# Altium PCB LimeNet-Micro_2v0.PcbDoc (part 9 of 11)
Units mm, origin at the board's own origin, x right, y up, seen from the top; angles counter-clockwise.
Board outline 75 x 143 mm, 6 copper layers (Top, L2, L3, L4, L5, Bottom), stack 1.583 mm thick; 781 components, 551 nets, 3551 pads, 1336 vias.
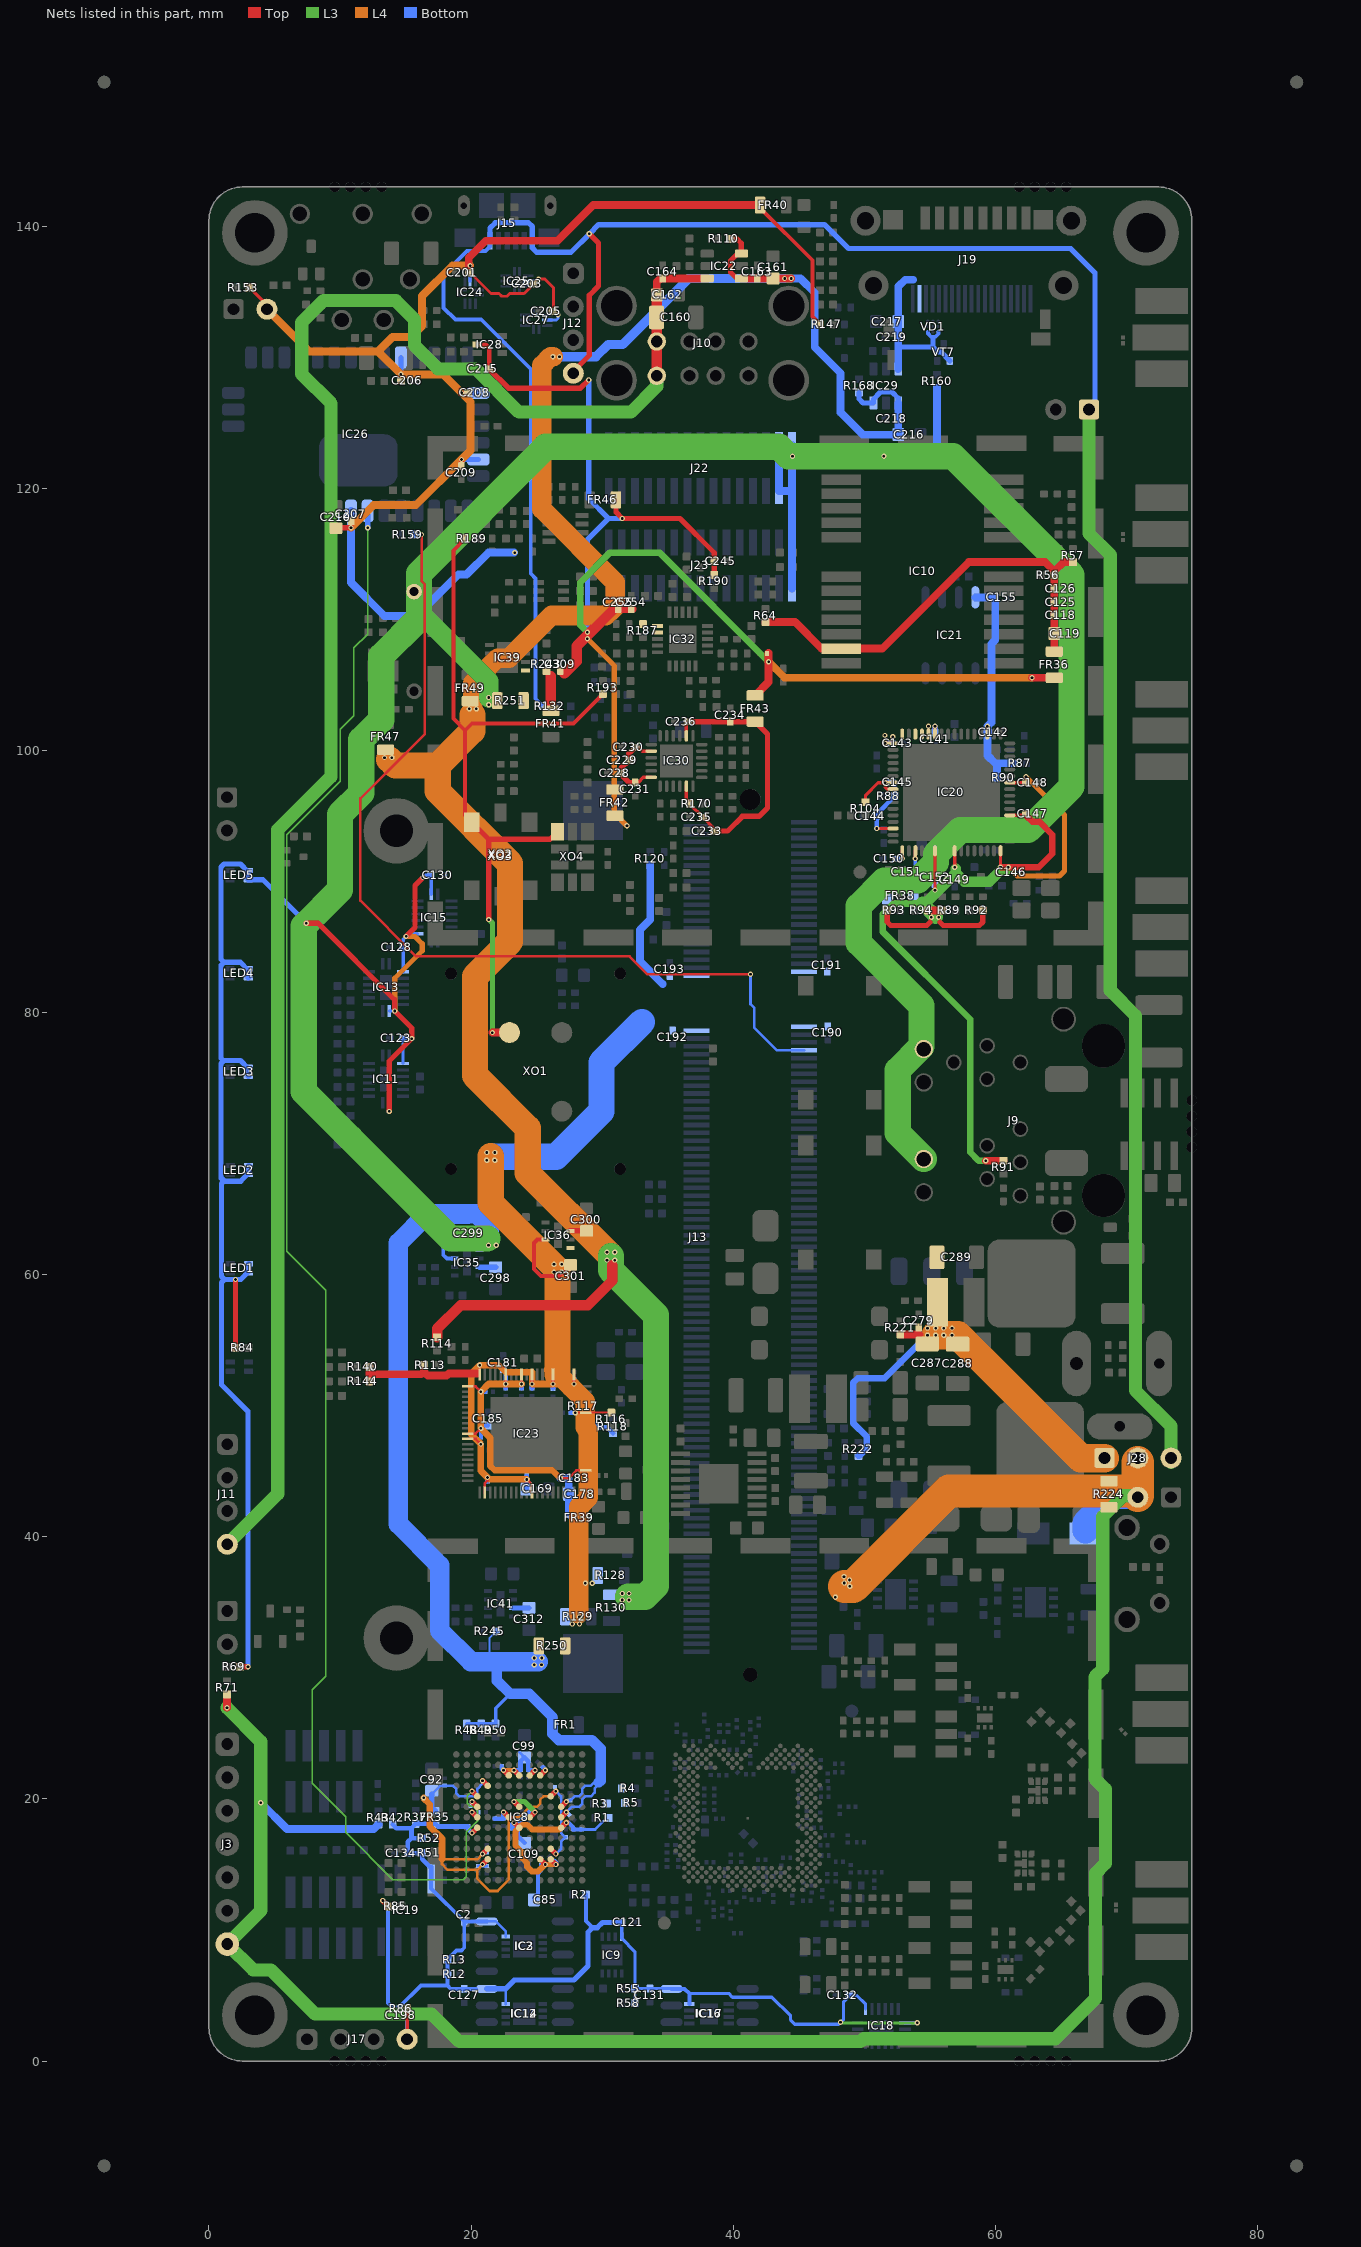
[diagram p13: the nets of this part, all layers, seen from the top]

## Via types
v1: diameter 0.4, hole 0.2, Top to Bottom, tented both sides, 1190 vias
v2: diameter 0.35, hole 0.2, Top to Bottom, tented both sides, 98 vias
v3: diameter 0.5, hole 0.2, Top to Bottom, tented bottom, 25 vias
v4: diameter 0.5, hole 0.2, Top to Bottom, tented both sides, 12 vias
v5: diameter 0.8, hole 0.4, Top to Bottom, tented both sides, 5 vias
v6: diameter 0.4, hole 0.2, Top to Bottom, tented top, 4 vias
v7: diameter 0.4, hole 0.2, Top to Bottom, tented bottom, 2 vias

## Nets (pads, with @x,y where several pads share a name; then routed paths per layer and width w, separated by ;. In a path a pad name is that pad's centre, name@x,y a point inside that pad or via, vN(x,y) a via of type N, cw(c..) or ccw(c..) an arc to the next point about the centre after c; other vN are vias at no path point) (continued)
VCC3P3: C2.1 C85.2 C86.1 C87.1 C88.1 C89.1 C90.1 C91.1 C99.2 C100.1 C101.1 C102.1 C103.1 C104.1 C109.2 C110.1 C111.1 C112.1 C113.1 C114.1 C115.1 C116.1 C117.1 C121.1 C123.2 C127.1 C128.2 C130.2 C131.1 C132.2 C134.1 C198.1 C299.2 FR1.2 FR35.1 IC2.8 IC3.8 IC8.C6 IC8.C7 IC8.C8 IC8.F7 IC8.F11 IC8.G6 IC8.G8 IC8.G11 IC8.H7 IC8.H11 IC8.J3 IC8.J11 IC8.K3 IC8.L6 IC8.L7 IC8.L8 IC9.8 IC11.10 IC11.16 IC12.8 IC13.10 IC13.16 IC14.8 IC15.10 IC15.16 IC16.8 IC17.8 IC18.10 IC18.16 IC19.8 IC35.3 IC35.5 J9.P6 J9.P12 J17.4 J22.14 J22.15 J23.15 LED1.1 LED1.2 LED2.1 LED2.2 LED3.1 LED3.2 LED4.1 LED4.2 LED5.1 LED5.2 LS1.1 R1.2 R2.2 R3.1 R4.1 R5.2 R12.1 R13.1 R37.1 R42.1 R48.1 R49.1 R50.1 R51.1 R52.1 R55.1 R58.1 R69.1 R84.1 R85.1 R86.1 R160.1 R245.1 R250.2 R251.2 | length 564.3
  Top w0.25: J17.4@15.118,1.652 15.125,1.659 R86.1@15.125,4
  Top w0.4: R84.1@2.025,54.412 v1@2.025,59.625 ; R69.1@2.375,30.075 v1(2.975,30.075) ; v1(7.425,86.825) 8.325,86.825 14.175,80.975 v1(14.175,80.125) 15.475,78.825 v1(15.475,78.016) 13.759,76.3 v1(13.759,72.459) ; v1(13.25,12.25) R85.1@13.7,11.8 ; v1(15.038,85.813) 15.725,86.5 15.725,89.7 v1(16.325,90.3) ; v1(20.072,17.394) IC8.C6@20.472,17.794 ; v1(20.072,18.994) IC8.C7@20.472,18.594 ; v1(20.072,19.794) IC8.C8@20.472,19.394 ; v1(22.472,18.994) IC8.F7@22.872,18.594 ; v1(22.472,22.194) IC8.F11@22.872,21.794 ; v1(23.272,18.194) IC8.G6@23.672,17.794 ; v1(23.272,19.794) IC8.G8@23.672,19.394 ; v1(23.272,22.194) IC8.G11@23.672,21.794 ; IC8.H7@24.472,18.594 v1(24.872,18.994) ; IC8.H11@24.472,21.794 v1(24.872,22.194) ; IC8.J3@25.272,15.394 v1(25.672,14.994) ; IC8.J11@25.272,21.794 v1(25.672,22.194) ; IC8.K3@26.072,15.394 v1(26.472,14.994) ; IC8.L6@26.872,17.794 v1(27.272,18.194) ; IC8.L7@26.872,18.594 v1(27.272,18.994) ; IC8.L8@26.872,19.394 v1(27.272,19.794)
  L3 w0.25: v1(48.19,2.95) 48.24,2.9 54.025,2.9 v1(54.05,2.925)
  L3 w0.4: v1(23.272,19.794) 24.072,19.794 v1(24.872,18.994)
  L3 w1.5: 16.3,110.325 21.35,105.275 v1(21.35,104.045)
  L3 w2: 21.23,62.755 18.445,62.755 10.788,70.413 7.225,73.975 7.225,86.6 10,89.375 10,95.125 11.625,96.75 11.625,100.825 13.15,102.35 13.15,107.2 16.025,110.075 16.025,113.5 25.7,123.175 43.5,123.175 44.225,122.45 v1(44.525,122.45) v1(51.5,122.45) 56.775,122.45 65.825,113.4 65.825,97.25 62.5,93.925 57.3,93.925 55.475,92.1 55.475,91.475 54.075,90.075 51.525,90.075 49.575,88.125 49.575,85.325 54.375,80.525 54.375,77.425 52.55,75.6 52.55,70.82 J9.P6@54.545,68.825
  L4 w0.35: v1(22.472,22.194) v1(23.272,22.194)
  L4 w0.4: v1(14.175,80.125) 14.175,82.625 16.275,84.725 16.275,85.249 15.711,85.813 v1(15.038,85.813) ; v1(25.672,14.994) v1(26.472,14.994)
  L4 w0.45: v1@25.658,15.008 25.119,14.469 24.631,14.469 24.278,14.822 24.278,15.097 23.925,15.45 23.925,15.9 23.375,16.45 23.375,17.525 23.875,18.025 24.298,18.025 24.655,17.669 26.747,17.669 v1(27.272,18.194)
  Bottom w0.15: 21.4,30.575 21.4,32.27 R245.1@21.905,32.775
  Bottom w0.2: IC3.8@21.2,10.655 21.895,10.655 22.65,9.9 IC2.8@22.65,9.5 ; 22.63,5.505 22.65,5.485 IC12.8@22.65,4.35 ; v1(27.272,18.994) 27.672,19.394 28.238,19.394 28.472,19.628 28.472,19.96 28.706,20.194 29.144,20.194 29.425,20.475 29.425,20.8 29.625,21 ; C88.1@27.547,19.889 27.601,19.889 27.906,20.194 28.238,20.194 28.472,20.428 28.472,20.76 28.706,20.994 29.119,20.994 29.525,21.4 ; C90.1@28.442,17.669 29.47,17.669 R1.2@30.271,18.47 ; 29.75,21.275 29.872,21.153
  Bottom w0.25: v1(13.759,72.459) IC11.16@13.759,73.125 ; IC13.16@13.758,80.125 v1(14.175,80.125) ; C123.2@14.8,78.025 C123.2@14.809,78.016 ; IC11.10@14.809,76.125 C123.2@14.809,78.016 ; IC13.10@14.825,83.125 C128.2@14.825,84.975 14.825,85.6 v1(15.038,85.813) 15.25,86.025 IC15.10@15.9,86.025 ; v1(15.475,78.016) C123.2@14.809,78.016 ; v1(16.325,90.3) 16.5,90.475 C130.2@16.95,90.475 IC15.16@16.95,89.025 ; R48.1@19.672,25.744 R49.1@20.772,25.744 R50.1@21.872,25.744 21.872,26.922 22.975,28.025 ; C99.2@23.7,23.541 C99.2@24.072,23.169 ; C121.1@31.5,10.575 IC9.8@31.5,9.475 31.5,9.35 32.5,8.35 R55.1@32.5,5.525 ; R58.1@32.5,4.425 R55.1@32.5,5.525 ; IC17.8@35.3,5.505 35.28,5.525 R55.1@32.5,5.525 ; 36.65,5.155 39.661,5.155 39.941,4.875 42.95,4.875 44.375,3.45 44.375,3.125 44.7,2.8 48.04,2.8 v1(48.19,2.95) 48.425,3.185 48.425,4.525 48.875,4.975 49.447,4.975 50.1,4.322 IC18.10@50.1,3.975 ; IC18.16@53.1,2.925 v1(54.05,2.925)
  Bottom w0.3: v1(13.25,12.25) 13.675,11.825 13.675,4.414 13.989,4.1 14.511,4.1 ; J17.4@15.118,1.652 C198.1@15.118,3.493 ; C198.1@15.125,3.5 C198.1@15.118,3.493 ; IC19.8@16.955,13.9 16.955,13.17 C2.1@19.475,10.65 C2.1@19.48,10.655 ; 17.875,64.3 17.875,61.5 18.15,61.225 IC35.3@18.75,61.225 ; 18.4,64.025 19.825,64.025 ; IC14.8@20.375,5.505 18.45,5.505 18.2,5.755 ; IC3.8@21.2,10.655 C2.1@19.48,10.655 ; C85.2@24.8,12.45 25.1,12.75 25.1,14.275 25.347,14.522 C91.1@25.347,14.964 25.642,14.964 v1(25.672,14.994) ; v1(27.272,18.194) 27.436,18.194 27.777,17.852 27.777,17.669 C87.1@27.802,17.669 C90.1@28.392,17.669 ; R2.2@28.772,12.694 28.772,10.678 29.275,10.175 ; IC17.8@35.3,5.505 36.3,5.505 36.65,5.155 IC16.8@36.65,4.35 ; 14.511,4.1 C198.1@15.118,3.493 ; 14.511,4.1 16.166,5.755 18.2,5.755 ; 18.2,5.755 R12.1@18.2,6.62 R13.1@18.2,7.74 18.885,8.425 19.265,8.425 19.48,8.64 C2.1@19.48,10.655
  Bottom w0.35: R42.1@14.025,18.05 14.303,17.772 15.45,17.772 ; R52.1@16.272,17.094 R52.1@16.272,16.994 15.45,16.994 ; IC19.8@16.855,14.82 16.272,15.403 R51.1@16.272,15.894 16.228,15.85 C134.1@15.175,15.85 15.175,16.719 15.45,16.994 ; IC19.8@16.955,13.9 IC19.8@16.955,14.82 ; v1(20.072,17.394) 19.792,17.674 C110.1@19.792,17.894 17.472,17.894 FR35.1@17.272,18.094 R37.1@15.772,18.094 15.45,17.772 ; C104.1@21.797,18.499 C102.1@22.472,18.499 v1(22.472,18.994) ; C111.1@22.352,22.494 22.352,22.314 v1(22.472,22.194) ; v1(23.272,19.794) 23.752,19.794 C103.1@23.797,19.839 ; v1(23.272,22.194) 23.277,22.199 C100.1@23.772,22.199 23.772,22.869 C99.2@24.072,23.169 24.372,22.869 C114.1@24.372,22.199 24.377,22.194 v1(24.872,22.194) ; C116.1@23.817,18.144 23.322,18.144 v1(23.272,18.194) ; C109.2@24.072,16.644 23.572,17.144 23.572,17.478 23.301,17.749 C101.1@23.122,17.749 23.122,18.044 v1(23.272,18.194) ; v1(24.872,18.994) 24.797,19.069 C117.1@24.452,19.069 24.452,18.915 24.137,18.6 23.678,18.6 v1(23.272,18.194) ; C113.1@25.47,22.421 25.672,22.219 v1(25.672,22.194) ; 15.45,16.994 15.45,17.772
  Bottom w0.4: 0.925,67.368 0.925,76.107 1.155,76.337 2.4,76.337 3,75.737 LED3.2@3,75.137 ; 0.95,67.368 1.18,67.137 2.425,67.137 3.025,67.737 LED2.1@3.025,68.337 ; 1.105,76.337 0.925,76.518 0.925,83.607 1.155,83.837 ; 1.13,67.137 0.95,66.957 0.95,59.868 1.18,59.637 ; v1(2.975,30.075) 2.975,49.575 0.95,51.6 0.95,59.407 1.18,59.637 ; LED4.2@3,82.637 3,83.237 2.4,83.837 1.155,83.837 ; LED1.1@3.025,60.837 3.025,60.237 2.425,59.637 v1(2.025,59.637) 1.18,59.637 ; v1(7.425,86.825) 4.113,90.137 LED5.2@3,90.137 3,90.737 2.4,91.337 1.155,91.337 0.925,91.107 0.925,84.068 1.155,83.837 ; IC14.8@21.2,5.505 22.63,5.505 23.3,6.175 27.85,6.175 28.925,7.25 28.925,9.825 29.275,10.175 29.625,10.175 30.025,10.575 C121.1@31.5,10.575 ; C89.1@26.37,15.221 26.472,15.119 v1(26.472,14.994)
  Bottom w0.6: J22.14@43.5,123.3 J22.14@43.5,119.8 J22.15@44.5,119.8 ; J23.15@44.5,112.375 J23.15@44.5,115.875 J22.15@44.5,119.8 ; J22.15@44.5,123.3 J22.15@44.5,119.8 ; v1(51.5,122.45) 54.75,122.45 55.56,123.26 R160.1@55.56,127.675
  Bottom w0.8: 21.975,30.475 21.975,29.025 22.975,28.025 24.447,28.025 26.2,26.272 FR1.2@26.2,25.658 26.2,24.975 26.681,24.494 29.206,24.494 29.875,23.825 29.875,21.4 29.75,21.275
  Bottom w1.5: 21.362,62.725 21.362,63.729 20.442,64.65 16.675,64.65 14.45,62.425 14.45,40.975 17.6,37.825 17.6,32.855 19.98,30.475 21.975,30.475 25.125,30.475
  other v1: 24.825,30.225 25.375,30.225 24.825,30.75 25.4,30.75 21.325,62.25 21.925,62.25 21.35,103.5
VCC3P3_2: C141.1 C142.1 C143.1 C144.1 C145.1 C155.1 C169.2 C170.2 C171.1 C172.2 C173.1 C174.2 C175.1 C176.2 C177.1 C190.2 C191.2 C192.2 C193.2 C201.1 C203.1 C205.1 C206.2 C207.2 C208.2 C209.2 C210.2 C301.2 FR38.2 FR40.2 IC20.19 IC20.27 IC20.28 IC20.29 IC20.30 IC20.32 IC20.33 IC20.39 IC20.40 IC20.46 IC21.8 IC23.14 IC23.20 IC23.24 IC23.28 IC23.38 IC23.49 IC23.59 IC23.68 IC24.9 IC25.9 IC26.10 IC26.15 IC26.19 IC26.28 IC27.9 IC36.3 IC36.5 J13.39 J13.40 J13.41 J13.42 J18.2 R87.2 R88.2 R90.1 R104.1 R113.1 R116.2 R117.2 R118.2 R120.2 R128.2 R129.2 R140.1 R144.1 R147.1 R153.2 R250.1 | length 273
  Top w0.15: v1(27.95,49.475) IC23.14@28.75,49.475 R116.2@30.7,49.475
  Top w0.2: IC23.49@19.75,47.475 20.35,47.475 v1(20.75,47.075) ; IC23.38@20.65,52.375 v1(20.65,53.091) ; IC23.59@21.05,43.375 21.05,44.1 21.25,44.3 v1(21.25,44.525) ; v1(24.25,44.375) 24.65,43.975 IC23.68@24.65,43.375 ; v1(24.65,51.659) IC23.28@24.65,52.375 ; v1(26.25,51.659) IC23.24@26.25,52.375 ; v1(27.85,51.659) IC23.20@27.85,52.375
  Top w0.22: C201.1@19.925,136.475 21.525,134.875 22.124,134.875 22.337,134.662 22.732,134.662 22.945,134.875 24.05,134.875 v1(25.15,135.975) 25.625,135.975 26.275,135.325 C205.1@26.275,133.575 ; C205.1@26.287,133.587 v1(26.625,133.25)
  Top w0.25: R153.2@3.1,135.325 4.42,134.005 J18.2@4.42,133.675 ; R104.1@50.1,96.05 50.1,96.6 51.05,97.55 v1(51.6,97.55) ; v1(50.95,94.05) IC20.46@52.2,94.05 ; v1(51.6,100.55) IC20.33@52.2,100.55 ; IC20.40@52.2,97.05 51.75,97.05 51.6,97.2 v1(51.6,97.55) ; IC20.39@52.2,97.55 v1(51.6,97.55) ; IC20.27@55.4,101.25 v1(55.4,101.85) ; IC20.19@59.4,101.25 v1(59.4,101.85)
  Top w0.3: IC36.3@25.672,62.7 25.072,62.7 24.797,62.425 24.797,60.425 25.322,59.9 26.747,59.9 C301.2@27.597,60.75 ; FR40.2@42.05,141.625 42.05,141.4 46.04,137.41 46.04,133.112 R147.1@46.638,132.513
  Top w0.4: C210.2@9.68,117.005 v1(10.835,117.005) C207.2@10.835,117.51 ; C206.2@14.645,128.2 v1(14.645,128.705) ; C209.2@19.265,121.705 v1(19.265,122.21) ; v1(19.265,127.29) C208.2@19.77,127.29
  Top w0.6: R144.1@12.25,51.864 R140.1@12.25,52.964 ; 12.3,52.4 16.2,52.4 16.4,52.6 ; R113.1@16.4,53.1 16.4,52.6 ; C201.1@19.825,136.475 19.825,137.6 21.125,138.9 26.6,138.9 29.325,141.625 FR40.2@42.05,141.625 ; 20.45,52.475 18.3,52.475 18.125,52.3 16.7,52.3 16.4,52.6
  L4 w0.5: v1(24.25,44.375) 21.4,44.375 v1(21.25,44.525) 20.75,45.025 v1(20.75,47.075) 20,47.825 20,52.441 v1(20.65,53.091) 22.109,53.091 22.65,52.55 24.65,52.55 v1(24.65,51.659) v1(26.25,51.659) ; 27.62,51.43 v1(27.85,51.659)
  L4 w0.6: J18.2@4.42,133.675 7.645,130.45 12.9,130.45 ; v1(10.835,117.005) 12.555,118.725 15.78,118.725 v1(19.265,122.21) 19.95,122.895 19.95,126.605 v1(19.265,127.29) 17.85,128.705 v1(14.645,128.705) 12.9,130.45 ; v1(19.925,137) 18.575,137 16.25,134.675 16.25,132.375 15.425,131.55 14,131.55 12.9,130.45
  L4 w1.5: 26.3,52.75 26.6,52.45 27.62,51.43 28.7,50.35 28.7,48.35 28.95,48.1 28.95,43 28.225,42.275 28.225,34.15
  L4 w2: 21.503,69.034 21.503,65.472 26.6,60.375 26.6,52.45 26.6,52.4
  Bottom w0.22: IC24.9@19.925,135.8 v1(19.925,137) ; IC25.9@24.35,135.825 25,135.825 v1(25.15,135.975) ; IC27.9@25.825,132.838 26.488,132.838 26.625,132.975 v1(26.625,133.25)
  Bottom w0.3: C172.2@20.75,46.625 v1(20.75,47.075)
  Bottom w0.35: v1(20.65,53.091) C171.1@20.979,53.091 ; C174.2@21.25,44.23 v1(21.25,44.525) ; C169.2@24.225,43.65 24.25,43.675 v1(24.25,44.375) C175.1@24.25,44.67 ; C177.1@24.65,51.33 v1(24.65,51.659) ; C176.2@26.25,51.33 v1(26.25,51.659) ; C173.1@27.605,49.475 v1(27.95,49.475) R117.2@28.55,49.475 29.65,48.375 30.35,48.375 R118.2@30.825,47.9 ; v1(27.85,51.659) C170.2@27.85,51.989 ; v1(50.95,94.05) 50.95,95.15 R88.2@52.325,96.525 52.325,97.325 C145.1@52.075,97.575 52.05,97.55 v1(51.6,97.55) ; v1(51.6,100.55) C143.1@52.075,100.55 ; C145.1@52.2,97.54 C145.1@52.2,97.55 ; C141.1@55.4,101.375 v1(55.4,101.85) ; R87.2@61.225,98.9 R87.2@61.35,99.025
  Bottom w0.4: v1(14.645,128.705) IC26.10@14.645,129.99 ; v1(19.265,122.21) IC26.19@20.55,122.21 ; v1(19.265,127.29) IC26.15@20.55,127.29
  Bottom w0.6: IC26.28@10.835,118.29 v1(10.835,117.005) 10.835,112.815 13.375,110.275 15.875,110.275 19.025,113.425 19.65,113.425 21.325,115.1 v1@23.275,115.1 ; 32.9,86.3 32.9,83.9 34.625,82.175 ; 32.95,86.375 33.675,87.1 R120.2@33.675,91.25 ; IC21.8@58.481,111.687 C155.1@60.001,111.687 60.001,108.426 59.7,108.125 59.7,102.15 v1(59.4,101.85) C142.1@59.4,101.4 59.4,99.625 60,99.025 ; R90.1@60.125,97.925 60.125,98.9 60,99.025 ; R87.2@61.35,99.025 60,99.025
  Bottom w2: 21.7,69 26.475,69 29.95,72.475 29.95,76.2 33.038,79.288
  other v1: 27.725,33.35 28.272,33.35 28.275,33.9 28.725,36.45 29.25,36.45 26.325,60.2 26.925,60.2 26.325,60.8 26.925,60.8 21.2,68.725 21.8,68.725 21.2,69.325 21.8,69.325 52.175,101.05 51.575,101.15 54.9,101.85 23.325,115.1
VCC3P3_CLK: C215.1 C245.2 C254.1 C255.1 C309.2 FR36.1 FR41.1 FR42.1 FR43.1 FR45.1 FR46.2 IC28.5 IC32.16 IC32.17 IC39.1 R187.2 R190.2 R243.2 R251.1 | length 119.8
  Top w0.35: IC28.5@20.572,130.975 21.122,130.975 21.372,130.725 C215.1@21.372,129.125
  Top w0.4: C215.1@21.372,129.125 22.847,127.65 28.35,127.65 v1(28.975,128.275) ; FR46.2@31.05,119.125 31.05,118.188 v1(31.538,117.7) 35.945,117.7 38.55,115.095 R190.2@38.55,113.4
  Top w0.6: 30.85,110.8 C255.1@31.225,110.8 ; C255.1@31.225,110.8 C254.1@32.338,110.8 ; FR43.1@41.675,104.2 42.7,105.225 FR45.1@42.7,107.45 ; v1(62.8,105.55) FR36.1@64.5,105.55
  Top w0.8: FR41.1@26.086,103.025 26.086,105.675 ; 27.125,105.878 28.075,106.828 28.075,107.975 30.85,110.75
  L3 w0.5: v1(28.875,108.525) v1(28.875,109.025) 28.325,109.575 28.325,112.825 30.6,115.1 34.375,115.1 v1(42.7,106.775)
  L4 w0.4: v1(28.875,108.525) 30.925,106.475 30.925,95.225 v1(31.9,94.25)
  L4 w0.6: v1(42.7,106.775) 43.925,105.55 v1(62.8,105.55)
  Bottom w0.4: v1(28.875,108.525) v1(28.875,109.025) 28.875,116.093 30.482,117.7 ; v1(28.975,128.275) 28.975,119.207 30.482,117.7 ; v1(31.538,117.7) 30.482,117.7
VCC3P3_GNSS: C118.2 C119.2 C125.2 C126.1 FR36.2 IC10.23 R56.2 R57.1 R64.2 | length 33.7
  Top w0.6: R64.2@42.465,109.8 44.725,109.8 46.75,107.775 IC10.23@48.253,107.775 51.375,107.775 57.975,114.375 63.802,114.375 64.5,113.677 ; FR36.2@64.5,107.55 C119.2@64.5,108.925 C118.2@64.5,110.325 C125.2@64.5,111.325 C126.1@64.5,112.325 R56.2@64.5,113.375 64.5,113.677 ; R57.1@65.928,114.375 65.198,114.375 64.5,113.677
VCC3P3_LMK: C233.2 C234.2 C235.2 C236.2 FR43.2 IC30.8 IC30.23 R170.2 | length 22.2
  Top w0.25: IC30.23@36.425,97.275 36.425,96.225 R170.2@36.7,95.95 36.7,95.9 C235.2@37.7,94.9 38.525,94.075 C233.2@38.525,93.85 ; IC30.8@36.425,101.125 C236.2@36.425,102.087
  Top w0.4: C236.2@36.538,102.2 FR43.2@41.675,102.2 42.625,101.25 42.625,95.625 41.975,94.975 40.7,94.975 39.625,93.9 39.575,93.85 C233.2@38.525,93.85
VCC3P3_LMK2: C228.2 C229.2 C230.2 C231.2 FR42.2 IC30.14 IC30.18 | length 6.4
  Top w0.25: C230.2@32.538,100.25 32.763,100.25 33.063,99.95 IC30.14@33.75,99.95 ; C231.2@32.738,97.55 33.138,97.95 IC30.18@33.75,97.95
  Top w0.4: C231.2@32.512,97.55 32.063,97.55 31.45,98.163 31.45,98.662 C229.2@32.038,99.25 32.038,99.75 C230.2@32.538,100.25
VCC3P3A: C92.2 C93.1 C94.1 C95.1 C96.1 C97.1 C98.1 FR35.2 IC8.D3 IC8.D4 IC8.D10 IC8.K4 IC8.K9 | length 41.2
  Top w0.4: v1(20.872,14.994) IC8.D3@21.272,15.394 ; v1(20.872,15.794) IC8.D4@21.272,16.194 ; v1(20.872,21.394) IC8.D10@21.272,20.994 ; IC8.K4@26.072,16.194 v1(26.472,15.794) ; IC8.K9@26.072,20.194 v1(26.472,20.594)
  L4 w0.2: v1(20.872,14.994) 20.472,14.594 ; v1(20.872,15.794) 20.472,15.394 17.781,15.394 17.781,15.019 18.206,14.594 20.472,14.594 ; v1(26.472,20.594) 26.319,20.594 25.919,20.194 25.506,20.194 25.272,19.96 25.272,19.628 25.038,19.394 24.706,19.394 24.444,19.394 23.644,18.594 23.106,18.594 22.872,18.36 22.872,13.822 22.025,12.975 21.4,12.975 20.472,13.903 20.472,14.594
  L4 w0.5: v1(16.375,20.075) 16.85,19.6 16.85,17.9 17.781,16.969 17.781,15.394
  Bottom w0.2: C92.2@17,20.372 17.622,20.994 18.638,20.994 18.872,20.76 18.872,20.428 19.106,20.194 20.294,20.194 20.472,20.372 20.472,20.76 20.872,21.16 v1(20.872,21.394) ; v1(26.472,15.794) 26.872,16.194 26.872,16.76 27.181,17.069 C97.1@27.209,17.069 ; v1(26.472,20.594) 26.872,20.194 26.872,17.406 C97.1@27.209,17.069 ; C97.1@27.217,17.069 C97.1@27.209,17.069
  Bottom w0.25: C96.1@20.547,14.874 C93.1@21.197,14.874
  Bottom w0.4: C92.2@17,20.372 17,19.366 FR35.2@17.272,19.094
VCC3P3A_ETH: C146.1 C147.1 C148.1 C149.1 C150.1 C151.1 C152.1 FR38.1 IC20.5 IC20.10 IC20.49 IC20.51 IC20.54 IC20.57 IC20.64 R89.2 R91.1 R92.2 R93.2 R94.2 | length 80.1
  Top w0.25: v1(52.9,91.75) IC20.49@52.9,92.35 ; v1(53.9,91.75) IC20.51@53.9,92.35 ; v1(55.4,89.35) 55.4,91.1 IC20.54@55.4,92.35 ; v1(56.9,91.1) IC20.57@56.9,92.35 ; v1(60.4,91.1) IC20.64@60.4,92.35 ; IC20.5@61.1,95.05 C147.1@62.35,95.05 ; IC20.10@61.1,97.55 C148.1@62.35,97.55 62.35,97.992 v1(62.342,98)
  Top w0.4: R93.2@51.75,87.8 51.75,86.925 52.025,86.65 54.775,86.65 55.025,86.9 ; 55.775,86.9 56.025,86.65 58.775,86.65 59.05,86.925 R92.2@59.05,87.8
  Top w0.5: v1@60.475,91.1 v1(61,91.1) 63.32,91.1 64.35,92.13 64.35,93.575 63.35,94.575 62.825,94.575 C147.1@62.35,95.05
  Top w0.6: R94.2@54.85,87.8 R89.2@55.95,87.8 ; v1(59.275,68.7) R91.1@60.625,68.7
  L3 w0.5: 54.45,88.325 52.225,88.325 51.4,87.5 51.4,86.183 58.085,79.499 58.085,69.34 58.725,68.7 v1(59.275,68.7)
  L3 w0.8: 54.45,88.325 54.646,88.325 56.975,90.654 ; 56.975,90.504 56.975,90.654 ; v1@56.975,90.979 56.975,90.654 ; 60.925,90.9 60.45,90.9 59.55,90 57.629,90 56.975,90.654
  L3 w1.1: 54.45,88.325 55.45,87.325
  L4 w0.4: v1(60.4,91.1) v1(61,91.1) 61.675,90.425 64.903,90.425 65.275,90.797 65.275,95.067 v1(62.342,98)
  Bottom w0.25: C150.1@52.425,91.75 v1(52.9,91.75) ; 53.9,91.275 v1(53.9,91.75) ; C149.1@56.9,90.625 v1(56.9,91.1)
  other v1: 55.125,87.275 55.675,87.275
VCC5P0: C161.2 C163.1 C216.2 C218.1 C298.2 C300.2 C312.2 FR47.1 FR49.1 IC22.1 IC22.3 IC29.1 IC29.3 IC35.7 IC36.7 IC41.7 J3.7 J27.2 J28.2 R43.1 R71.1 R110.1 R114.2 R130.2 R168.1 R224.1 VD7.K | length 372.1
  Top w0.4: IC36.7@27.572,63.35 C300.2@28.797,63.35 ; R110.1@39.82,139.02 40.307,139.02 40.62,138.707 IC22.3@40.62,137.92 40.345,137.92 39.795,137.37 39.795,136.495 40.27,136.02 IC22.1@40.62,136.02
  Top w0.6: v1(1.373,26.952) 1.375,26.953 R71.1@1.375,27.975 ; IC22.1@40.62,136.02 v1(43.92,136.02) v1(44.43,136.02)
  Top w0.8: R114.2@17.4,55.225 17.4,55.875 19.2,57.675 28.9,57.675 30.762,59.537 30.762,60.725
  L3 w1: v1(1.373,26.952) 3.95,24.375 v1(3.95,19.704) 3.95,11.471 J3.7@1.4,8.921 3.371,6.95 4.725,6.95 8.075,3.6 16.975,3.6 19.1,1.475 49.725,1.475 49.95,1.7 64.575,1.7 67.65,4.775 67.65,14.325 68.4,15.075 68.4,20.75 67.6,21.55 67.6,29.31 68.2,29.91 68.2,41.55 69.786,43.136 J27.2@70.875,43.136
  L3 w2: 30.674,61.425 30.674,60.351 34.1,56.925 34.1,36.25 33.275,35.425 31.997,35.425
  L4 w1.5: 20.125,103.15 20.125,105.15 22.025,107.05 22.897,107.05 26.147,110.3 30.275,110.3 30.285,110.3 30.535,110.55 30.55,110.55 31,111 31,112.828 25.4,118.428 25.4,129.375 26.075,130.05 v1(26.245,130.05)
  L4 w2: 13.75,99.325 14.225,98.85 17.45,98.85 ; 20.1,102.7 20.1,101.5 17.45,98.85 ; 30.55,61.525 30.365,61.71 24.325,67.75 24.325,71.175 20.3,75.2 20.3,82.75 22.975,85.425 22.975,91.375 17.45,96.9 17.45,98.85
  L4 w2.5: 48.493,36.2 48.89,36.2 49.15,36.2 56.45,43.5 J27.2@70.511,43.5 ; J27.2@70.875,43.136 J28.2@70.875,45.676
  Bottom w0.4: IC35.7@20.65,60.575 C298.2@21.875,60.575 ; IC41.7@23.2,34.575 C312.2@24.425,34.575 ; R168.1@49.6,127.325 49.6,126.838 49.913,126.525 IC29.3@50.7,126.525 50.7,126.8 51.25,127.35 52.125,127.35 52.6,126.875 IC29.1@52.6,126.525
  Bottom w0.6: v1(3.95,19.704) 5.954,17.7 12.575,17.7 R43.1@12.925,18.05 ; v1(43.92,136.02) v1(44.43,136.02) 45.13,136.02 46.225,134.925 46.225,130.767 48.2,128.792 48.2,125.8 49.9,124.1 C216.2@52.6,124.1 C218.1@52.6,125.325 IC29.1@52.6,126.525
  Bottom w0.7: v1@26.37,130.05 29.525,130.05 30.46,130.985 31.56,130.985 36.595,136.02 v1(43.92,136.02)
  Bottom w2: VD7.K@66.875,40.475 66.875,41.05 68.961,43.136 70.875,43.136 J28.2@70.875,45.676
  other v1: 31.525,35.175 32.05,35.175 47.801,35.396 31.525,35.675 32.05,35.675 48.89,36.221 48.474,36.475 48.875,36.7 48.459,36.954 30.371,61.116 30.971,61.116 30.371,61.716 30.971,61.716 13.395,99.461 13.945,99.461 19.85,103.175 20.4,103.175 26.75,130.05
VCC5P0_HDMI: C217.2 C219.1 IC29.6 J19.18 VD1.A1 VD1.C1 VT7.G | length 14
  Bottom w0.3: VD1.C1@54.85,131.95 54.85,131.82 55.095,131.575 55.425,131.575 55.65,131.8 VD1.A1@55.65,131.95
  Bottom w0.4: 52.6,130.75 52.65,130.8 55.25,130.8 ; 55.25,131.5 55.25,130.8 ; VT7.G@56.54,129.735 55.85,130.425 55.625,130.425 55.25,130.8
  Bottom w0.6: IC29.6@52.6,129.125 52.6,130.75 C219.1@52.6,131.525 C217.2@52.6,132.725 52.6,135.4 53.125,135.925 53.725,135.925
VCC5P0_POE: C279.2 C287.2 C288.2 C289.2 J28.1 L3.2 R221.1 R222.2 R224.2 | length 31.7
  Top w0.6: R221.1@52.745,55.45 54.211,55.45
  L4 w2.2: v1(55.45,55.375) 57.15,55.375 66.525,46 J28.1@68.325,46
  Bottom w0.5: R222.2@49.555,46.175 49.614,46.175 50.205,46.765 50.205,47.627 49.153,48.679 49.153,51.749 49.503,52.1 51.55,52.1 v1(54.825,55.375)
  other v1: 56.075,55.375 56.7,55.375 54.825,55.925 55.45,55.925 56.075,55.925 56.7,55.925
VCC5P0_USB_EXT: J12.4 J14.1 J15.1 J28.3 R132.1 | length 199.2
  Top w0.4: J12.4@27.65,128.786 29.025,130.161 29.025,134.736 29.725,135.436 29.725,138.725 v1(29.025,139.425)
  L3 w1: J14.1@67.15,126.02 67.15,116.55 68.775,114.925 68.775,81.7 70.7,79.775 70.7,51.15 73.415,48.435 J28.3@73.415,45.676
  Bottom w0.3: J15.1@21.45,138.9 21.45,138.45 21.1,138.1 19.675,138.1 17.9,136.325 17.9,133.775 18.8,132.875 20.775,132.875 24.55,129.1 24.55,113.498 24.925,113.123 24.925,103.95 R132.1@25.5,103.375
  Bottom w0.4: J15.1@21.45,138.9 21.45,139.875 21.85,140.275 24.375,140.275 24.675,139.975 24.675,138.35 25,138.025 27.625,138.025 v1(29.025,139.425) 29.725,140.125 46.975,140.125 48.8,138.3 65.75,138.3 67.6,136.45 67.6,126.2 67.42,126.02 J14.1@67.15,126.02
VCC5P0_USBE: C160.2 C162.2 C164.1 IC22.6 J10.B1 J10.T1 J11.4 | length 142.6
  Top w0.6: C162.2@34.17,134.87 34.17,135.745 34.445,136.02 C164.1@34.62,136.02 IC22.6@38.02,136.02
  Top w0.8: J10.T1@34.17,128.595 J10.B1@34.17,131.215 C162.2@34.17,134.77 C162.2@34.17,134.87
  L3 w1: J11.4@1.4,39.427 5.25,43.277 5.25,93.95 9.3,98 9.3,100.969 9.315,100.984 9.315,126.485 7.075,128.725 7.075,132.675 8.725,134.325 14.25,134.325 15.675,132.9 15.675,130.925 17.475,129.125 20.35,129.125 23.65,125.825 32.2,125.825 34.17,127.795 J10.T1@34.17,128.595
VD10_FT: C178.2 C179.2 C180.1 C181.1 C182.1 C183.1 C184.1 C185.1 FR39.1 IC23.3 IC23.30 IC23.33 IC23.39 IC23.48 | length 28.3
  Top w0.2: IC23.48@19.75,47.875 20.35,47.875 v1(20.75,48.275) ; IC23.39@19.75,51.475 20.35,51.475 v1(20.75,51.075) ; v1(22.65,51.659) IC23.33@22.65,52.375 ; v1(23.85,51.659) IC23.30@23.85,52.375 ; v1(26.8,44.468) 27.418,44.468 28.025,45.075 IC23.3@28.75,45.075
  L4 w0.5: v1(23.85,51.659) v1(22.65,51.659) 21.334,51.659 v1(20.75,51.075) v1(20.75,48.275) 21.45,47.575 21.45,45.426 21.801,45.075 26.193,45.075 v1(26.8,44.468)
  Bottom w0.3: C179.2@20.75,47.588 v1(20.75,48.275) 20.975,48.5 C185.1@21.3,48.5
  Bottom w0.35: v1(20.75,51.075) C182.1@21.079,51.075 ; C181.1@22.442,52.8 22.65,52.592 v1(22.65,51.659) C180.1@22.65,51.33 ; C184.1@23.85,51.33 v1(23.85,51.659)
  Bottom w0.6: v1@26.8,44.475 C183.1@27.375,44.475 27.45,44.4 C178.2@27.45,43.25 27.45,41.758 FR39.1@27.758,41.45
WIFI_PIO5: IC8.C9 IC26.27 | length 125
  Top w0.4: v1(20.072,20.594) IC8.C9@20.472,20.194
  L3 w0.1: v1(12.105,117.005) 12.105,108.88 11.05,107.825 11.05,102.65 10.025,101.625 10.025,97.658 5.95,93.583 5.95,61.794 8.919,58.825 8.919,29.378 7.875,28.334 7.875,21.2 10.435,18.64 10.435,17.44 14.031,13.844 19.417,13.844 19.625,14.052 19.625,17.464 20.5,18.339 20.5,19.1 20.175,19.425 19.925,19.425 19.7,19.65 19.7,20.222 v1(20.072,20.594)
  Bottom w0.4: v1(12.105,117.005) IC26.27@12.105,118.29
WIFI_RST: J13.47 R159.1 | length 71.5
  Top w0.2: v1(16.225,116.475) 16.225,112.928 16.475,112.678 16.475,101.275 11.55,96.35 11.55,88.55 15.8,84.3 32.088,84.3 33.463,82.925 v1(41.325,82.925)
  Bottom w0.2: R159.1@15.65,116.475 v1(16.225,116.475) ; v1(41.325,82.925) 41.325,80.65 41.597,80.378 41.597,78.853 43.325,77.125 J13.47@45.4,77.125
XO_VC: R189.1 R193.2 XO1.1 XO2.1 XO3.1 XO4.1 | length 57.7
  Top w0.3: R189.1@19.55,116.175 18.65,115.275 18.65,102.428 19.55,101.528 ; XO2.1@20.05,94.525 19.55,95.025 19.55,101.528 ; R193.2@30.063,104.3 27.812,102.05 20.072,102.05 19.55,101.528
  Top w0.4: XO2.1@20.05,94.525 21.35,93.225 ; v1(21.35,87.1) 21.35,93.225 ; XO4.1@26.586,93.8 26.011,93.225 21.35,93.225
  Top w0.6: v1(21.625,78.475) XO1.1@22.925,78.475
  L3 w0.4: v1(21.35,87.1) 21.625,86.825 v1(21.625,78.475)
pads on no net: C1.0 C2.0 C3.0 C4.0 C5.0 C6.0 C7.0 C8.0 C9.0 C10.0 C11.0 C12.0 C13.0 C14.0 C15.0 C16.0 C17.0 C18.0 C19.0 C20.0 C21.0 C22.0 C23.0 C24.0 C26.0 C84.0 C85.0 C92.0 C99.0 C105.0 C109.0 C118.0 C119.0 C120.0 C121.0 C122.0 C123.0 C124.0 C125.0 C126.0 C127.0 C128.0 C129.0 C130.0 C131.0 C132.0 C133.0 C134.0 C135.0 C136.0 C137.0 C138.0 C139.0 C140.0 C141.0 C142.0 C143.0 C144.0 C145.0 C146.0 C147.0 C148.0 C149.0 C150.0 C151.0 C152.0 C153.0 C154.0 C155.0 C156.0 C157.0 C158.0 C159.0 C160.0 C161.0 C162.0 C163.0 C164.0 C165.0 C166.0 C167.0 C168.0 C169.0 C178.0 C181.0 C183.0 C185.0 C186.0 C188.0 C189.0 C190.0 C191.0 C192.0 C193.0 C194.0 C195.0 C196.0 C197.0 C198.0 C199.0 C200.0 C201.0 C202.0 C203.0 C204.0 C205.0 C206.0 C207.0 C208.0 C209.0 C210.0 C211.0 C212.0 C213.0 C214.0 C215.0 C216.0 C217.0 C218.0 C219.0 C220.0 C221.0 C222.0 C223.0 C224.0 C225.0 C226.0 C227.0 C228.0 C229.0 C230.0 C231.0 C232.0 C233.0 C234.0 C235.0 C236.0 C237.0 C238.0 C239.0 C240.0 C241.0 C242.0 C243.0 C244.0 C245.0 C246.0 C247.0 C248.0 C249.0 C250.0 C251.0 C252.0 C253.0 C254.0 C255.0 C256.0 C257.0 C258.0 C259.0 C260.0 C261.0 C262.0 C263.0 C264.0 C265.0 C266.0 C267.0 C268.0 C269.0 C270.0 C271.0 C272.0 C273.0 C274.0 C275.0 C276.0 C277.0 C278.0 C279.0 C280.0 C281.0 C282.0 C283.0 C284.0 C285.0 C286.0 C287.0 C288.0 C289.0 C290.0 C291.0 C292.0 C293.0 C294.0 C295.0 C296.0 C297.0 C298.0 C299.0 C300.0 C301.0 C302.0 C303.0 C304.0 C305.0 C306.0 C307.0 C308.0 C309.0 C310.0 C311.0 C312.0 C313.0 C314.0 C315.0 D3.0 D4.0 D4.1 D4.2 F1.1 F2.1 F3.1 F4.1 F5.1 F6.1 F7.1 F8.1 FL1.1 FL2.1 FL3.1 FR1.0 FR35.0 FR36.0 FR37.0 FR38.0 FR39.0 FR40.0 FR41.0 FR42.0 FR43.0 FR44.0 FR46.0 FR47.0 FR48.0 FR49.0 FR50.0 FR51.0 IC1.A5 IC1.A13 IC1.A21 IC1.AA1 IC1.AA3 IC1.AA5 IC1.AB2 IC1.AB4 IC1.AB6 IC1.AC3 IC1.AC5 IC1.AD2 IC1.AE1 IC1.AE5 IC1.AG3 IC1.AG33 IC1.AH2 IC1.AH4 IC1.AH32 IC1.AJ1 IC1.AJ3 IC1.AJ5 IC1.AJ11 IC1.AJ13 IC1.AJ21 IC1.AJ27 IC1.AJ29 IC1.AJ31 IC1.AJ33 IC1.AK2 IC1.AK4 IC1.AK6 IC1.AK8 IC1.AK10 IC1.AK26 IC1.AK28 IC1.AK30 IC1.AK32 IC1.AK34 IC1.AL3 IC1.AL5 IC1.AL7 IC1.AL9 IC1.AL11 IC1.AL27 IC1.AL29 IC1.AL31 IC1.AL33 IC1.AM4 IC1.AM6 IC1.AM8 IC1.AM10 IC1.AM28 IC1.AM30 IC1.AM34 IC1.AN3 IC1.AN5 IC1.AN7 IC1.AN9 IC1.AN27 IC1.AN29 IC1.AN31 IC1.AP6 IC1.AP10 IC1.AP30 IC1.AP32 IC1.B2 IC1.B4 IC1.B12 IC1.B14 IC1.B22 IC1.C1 IC1.C3 IC1.C5 IC1.C9 IC1.C11 IC1.C13 IC1.C15 IC1.C17 IC1.C19 IC1.C31 IC1.D2 IC1.D4 IC1.D8 IC1.D10 IC1.D12 IC1.D14 IC1.D18 IC1.D22 IC1.D30 IC1.D32 IC1.E3 IC1.E9 IC1.E11 IC1.E13 IC1.E15 IC1.E23 IC1.E29 IC1.E31 IC1.F2 IC1.F4 IC1.F10 IC1.F12 IC1.F14 IC1.F16 IC1.F22 IC1.F26 IC1.F32 IC1.G1 IC1.G29 IC1.J1 IC1.M2 IC1.M6 IC1.P2 IC1.R3 IC1.R5 IC1.T4 IC1.T6 IC1.U1 IC1.U3 IC1.U5 IC1.V2 IC1.V4 IC1.V6 IC1.W3 IC1.Y2 IC1.Y4 IC1.Y6 IC8.E4 IC9.9 IC10.4 IC10.8 IC10.14 IC10.15 IC10.16 IC10.17 IC10.18 IC10.19 IC15.7 IC16.1 IC16.2 IC16.3 IC16.7 IC17.1 IC17.2 IC17.3 IC17.7 IC18.4 IC18.5 IC18.6 IC18.7 IC20.13 IC20.14 IC20.16 IC20.17 IC20.18 IC20.31 IC20.35 IC20.36 IC20.37 IC20.42 IC20.43 IC20.47 IC21.6 IC21.7 IC22.0 IC23.17 IC23.18 IC23.19 IC23.31 IC23.32 IC23.34 IC23.35 IC26.11 IC26.12 IC26.13 IC26.16 IC26.18 IC26.20 IC26.22 IC26.24 IC26.26 IC28.0 IC29.0 IC30.4 IC30.9 IC30.10 IC35.1 IC36.1 IC37.2 IC37.6 IC37.7 IC38.2 IC38.6 IC38.7 IC39.2 IC39.6 IC39.7 IC40.2 IC40.6 IC40.7 J4.6 J4.7 J4.8 J9.0 J13.17 J13.21 J13.23 J13.34 J13.36 J13.75 J13.77 J13.78 J13.81 J13.83 J13.87 J13.89 J13.93 J13.95 J13.99 J13.101 J13.105 J13.106 J13.107 J13.108 J13.112 J13.114 J13.124 J13.126 J13.128 J13.130 J13.132 J13.135 J13.136 J13.137 J13.138 J13.141 J13.142 J13.143 J13.144 J13.148 J13.150 J13.154 J13.156 J13.158 J13.160 J13.162 J13.172 J13.174 J13.176 J13.178 J13.179 J13.180 J13.None J15.4 J16.9 J16.10 J16.11 J16.14 J19.14 J21.6 J21.7 L1.0 LED1.0 LED2.0 LED3.0 LED4.0 LED5.0 LED6.0 LED6.2 LED6.4 MN1.0 MN2.0 MN3.0 MN4.0 MN5.0 MN6.0 MN7.0 MN8.0 MN9.0 MN10.0 MN11.0 MN12.0 MN13.0 MN14.0 MN15.0 MN16.0 MN17.0 MN18.0 MN19.0 MN20.0 MN21.0 MN22.0 MN23.0 MN24.0 MN25.0 MN26.0 MN27.0 MN28.0 R1.0 R2.0 R3.0 R4.0 R5.0 R6.0 R7.0 R8.0 R9.0 R10.0 R11.0 R12.0 R13.0 R14.0 R15.0 R16.0 R17.0 R18.0 R19.0 R20.0 R21.0 R22.0 R23.0 R25.0 R26.0 R27.0 R28.0 R29.0 R32.0 R33.0 R36.0 R37.0 R38.0 R39.0 R40.0 R41.0 R42.0 R43.0 R44.0 R45.0 R46.0 R47.0 R48.0 R49.0 R50.0 R51.0 R52.0 R53.0 R54.0 R55.0 R56.0 R57.0 R58.0 R59.0 R60.0 R61.0 R62.0 R63.0 R64.0 R65.0 R66.0 R67.0 R68.0 R69.0 R70.0 R71.0 R72.0 R73.0 R74.0 R75.0 R76.0 R77.0 R78.0 R79.0 R80.0 R81.0 R82.0 R83.0 R84.0 R85.0 R86.0 R87.0 R88.0 R89.0 R90.0 R91.0 R92.0 R93.0 R94.0 R95.0 R96.0 R97.0 R98.0 R99.0 R100.0 R101.0 R102.0 R103.0 R104.0 R105.0 R106.0 R107.0 R108.0 R109.0 R110.0 R111.0 R112.0 R113.0 R114.0 R115.0 R116.0 R117.0 R118.0 R119.0 R120.0 R121.0 R122.0 R123.0 R124.0 R125.0 R126.0 R127.0 R128.0 R129.0 R130.0 R131.0 R132.0 R133.0 R134.0 R135.0 R136.0 R137.0 R138.0 R139.0 R140.0 R141.0 R142.0 R143.0 R144.0 R145.0 R146.0 R147.0 R148.0 R149.0 R150.0 R151.0 R152.0 R153.0 R154.0 R155.0 R156.0 R157.0 R158.0 R159.0 R160.0 R161.0 R162.0 R163.0 R164.0 R165.0 R166.0 R167.0 R168.0 R169.0 R170.0 R171.0 R172.0 R173.0 R174.0 R175.0 R176.0 R177.0 R178.0 R179.0 R180.0 R181.0 R182.0 R183.0 R184.0 R185.0 R186.0 R187.0 R188.0 R189.0 R190.0 R191.0 R192.0 R193.0 R194.0 R195.0 R196.0 R197.0 R198.0 R199.0 R200.0 R201.0 R202.0 R203.0 R204.0 R205.0 R206.0 R207.0 R208.0 R209.0 R210.0 R211.0 R212.0 R213.0 R214.0 R215.0 R216.0 R217.0 R218.0 R219.0 R220.0 R221.0 R222.0 R223.0 R224.0 R225.0 R226.0 R227.0 R228.0 R229.0 R230.0 R231.0 R232.0 R233.0 R234.0 R235.0 R236.0 R237.0 R238.0 R239.0 R240.0 R241.0 R242.0 R243.0 R244.0 R245.0 R246.0 R247.0 R248.0 R249.0 R250.0 R251.0 R252.0 T1.2 T2.2 T3.2 T4.2 T5.5 T5.6 VD1.B1 VD2.0 VD4.0 VD4.2 VD5.0 VT1.0 VT9.0 XO1.0 XO2.3 XO4.2 XO4.3 XO4.5 XO4.8 XO4.10 XT1.0 XT2.0

## Polygon pours and split planes (outlines as drawn)
GND on L3 "GND_L03_P044" (solid, remove dead copper, pour order 44): 0,2.54 ccw(c2.54,2.54) 2.54,0 72.46,0 ccw(c72.46,2.54) 75,2.54 75,140.46 ccw(c72.46,140.46) 72.46,143 2.54,143 ccw(c2.54,140.46) 0,140.46
VCC1P25_LMS on L3 "VCC1P25_LMS_L03_P033" (solid, remove dead copper, pour order 33): 51.7,20.1 51.7,22.5 51.7,32.35 49.175,34.875 47.75,34.875 47.5,34.625 47.5,26.825 48.65,25.675 48.65,19.775 48.675,19.75 51.35,19.75
VCC1P4_LMS on L3 "VCC1P4_LMS_L03_P035" (solid, remove dead copper, pour order 35): 50.025,19.35 53.575,19.35 57.125,22.9 57.125,33.475 57.925,34.275 59.95,34.275 60.5,33.725 60.5,20.825 56.3,16.625 50.275,16.625 49.925,16.975 49.925,19.25
VCC3P3 on L3 "VCC3P3_L03_P029" (solid, remove dead copper, pour order 29): 24.612,23.922 26.167,22.367 26.167,21.192 24.125,19.15 23.428,19.15 22.02,17.742 20.917,17.742 20.325,17.15 19.95,17.15 19.825,17.275 19.825,19.85 20.192,20.217 20.967,20.217 21.975,21.225 21.975,22.45 23.625,24.1 23.625,25.564 24.6,26.538 24.612,30.15 25.625,30.138 25.651,25.964 24.612,24.925
VCC3P3_2 on L3 "VCC3P3_2_L03_P031" (solid, remove dead copper, pour order 31): 22.2,68.5 22.2,71.325 19.5,74.025 19.5,80.35 17.25,82.6 17.25,84.425 21.05,88.225 21.05,96.06 27.125,102.135 27.125,113.95 31.15,117.975 35.25,117.975 41.5,111.725 56.6,111.725 59.825,108.5 59.825,102.625 58.275,101.075 56.475,101.075 55.5,102.05 52.175,102.05 51.375,101.25 51.375,97.475 51.5,97.35 52.35,97.35 52.775,97.775 60.725,97.775 64.018,101.068 64.018,110.231 58.1,116.15 43.2,116.15 38.4,120.95 28.2,120.95 23.15,115.9 23.15,104.158 17.25,98.258 17.25,92.517 12.5,87.767 12.5,81.325 15,78.825 15,72.5 19,68.5
GND on L5 "GND_L05_P046" (solid, remove dead copper, pour order 46): 0,2.54 ccw(c2.54,2.54) 2.54,0 72.46,0 ccw(c72.46,2.54) 75,2.54 75,140.46 ccw(c72.46,140.46) 72.46,143 2.54,143 ccw(c2.54,140.46) 0,140.46
VCC1P8 on L5 "VCC1P8_L05_P039" (solid, remove dead copper, pour order 39): 32.825,39.75 24.975,39.75 17.6,32.375 17.6,28.5 12.425,23.325 12.425,13.05 17.025,8.45 22.375,8.45 23.675,9.75 23.675,11.35 22.95,12.075 19.325,12.075 15.375,16.025 15.375,21.125 21.025,26.775 21.025,31.55 26.75,37.275 32.158,37.275 33.14,38.257 33.14,39.435
VCC1P8_LMS on L5 "VCC1P8_LMS_L05_P037" (solid, remove dead copper, pour order 37): 59.2,38.55 60.1,37.65 60.1,36.304 61.375,35.029 61.375,32.75 54.75,26.125 54.75,24.875 56.125,23.5 56.125,11.75 49.625,5.25 44.875,5.25 44.525,5.6 44.525,9.15 45.575,10.2 50.025,10.2 52.65,12.825 52.65,22.375 51.375,23.65 51.375,27.15 56.725,32.5 56.725,33.288 56.125,33.888 56.125,36.95 57.725,38.55
GND on Top "GND_L01_P042" (solid, remove dead copper, pour order 42): 0,2.54 ccw(c2.54,2.54) 2.54,0 72.46,0 ccw(c72.46,2.54) 75,2.54 75,140.46 ccw(c72.46,140.46) 72.46,143 2.54,143 ccw(c2.54,140.46) 0,140.46
VCC5P0 on Top "VCC5P0_L01_P041" (solid, remove dead copper, pour order 41): 44.625,37.175 44.075,36.625 32.125,36.625 31.3,35.8 31.3,34.25 31.975,33.575 46,33.575 47.325,34.9 48.704,34.9 49.2,35.396 49.2,36.713 48.738,37.175
GND on L2 "GND_L02_P043" (solid, remove dead copper, pour order 43): 0,2.54 ccw(c2.54,2.54) 2.54,0 72.46,0 ccw(c72.46,2.54) 75,2.54 75,140.46 ccw(c72.46,140.46) 72.46,143 2.54,143 ccw(c2.54,140.46) 0,140.46
GND on L4 "GND_L04_P045" (solid, remove dead copper, pour order 45): 0,2.54 ccw(c2.54,2.54) 2.54,0 72.46,0 ccw(c72.46,2.54) 75,2.54 75,140.46 ccw(c72.46,140.46) 72.46,143 2.54,143 ccw(c2.54,140.46) 0,140.46
GND on Bottom "GND_L06_P047" (solid, remove dead copper, pour order 47): 0,2.54 ccw(c2.54,2.54) 2.54,0 72.46,0 ccw(c72.46,2.54) 75,2.54 75,140.46 ccw(c72.46,140.46) 72.46,143 2.54,143 ccw(c2.54,140.46) 0,140.46